# KiCad board pcb.kicad_pcb (continued)
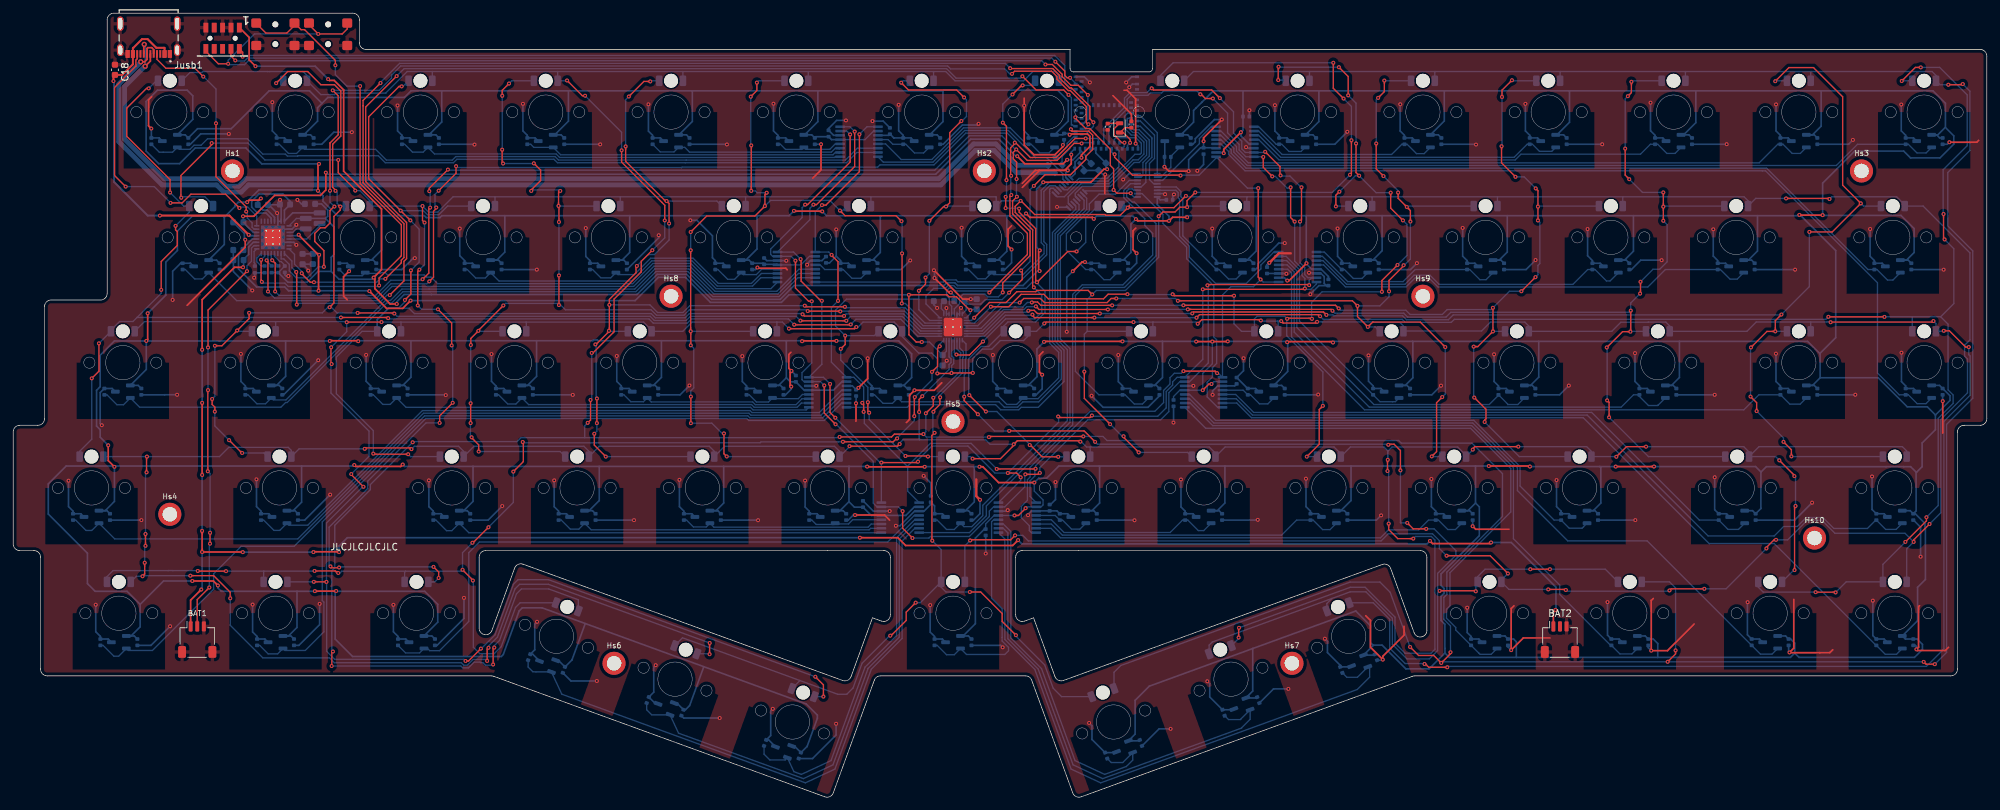
[diagram p0: board, top side]
## Routing (per net, layer and track width the routed paths; a pad name or vN(x,y) marks a point on that pad's centre or on a via; arc(x,y) is an arc through that point) (continued)
/ANA_64: length 55
  Bottom w0.2: MUXB4.5 136.69,42.02 133.95,39.28 133.95,24.46 129.16,19.67 124,5.49 119.51,3.4 118.38,3.81 TMR64.2 117.06,5.6 114.72,5.6 113.85,6.47 Cvout64.1
/ANA_65: length 34.6
  Bottom w0.2: MUXB8.12 148.66,42.02 148.35,41.71 148.35,30.13 149.95,28.53 149.95,24.19 149.94,24.18 149.94,23.64 150.92,22.66 150.92,22.15 150.36,21.59 144.55,21.59 TMR65.2 142.69,21.55 141.52,21.55 140.1,22.97 Cvout65.1
/ANA_66: length 55.6
  Bottom w0.2: Cvout66.1 166.49,5.2 168.24,5.2 TMR66.2 169.75,5.56 168.78,4.59 168.76,4.59 165.49,3.4 161,5.49 155.93,19.43 151.27,24.08 151.27,40.23 150.12,41.37 MUXB8.11
/ANA_67: length 75.2
  Bottom w0.2: Cvout67.1 184.27,11.72 186.11,11.72 186.11,11.77 TMR67.2 187.55,11.75 186.25,10.46 186.25,10.43 165.19,2.76 160.7,4.85 155.41,19.37 150.82,23.97 150.82,40.03 150.12,40.72 MUXB8.10
/ANA_68: length 94.6
  Bottom w0.2: MUXB8.9 150.36,39.1 150.36,23.86 154.9,19.32 160.4,4.21 164.89,2.12 203.8,16.28 205.67,18.15 205.67,19.44 TMR68.2 203.82,18.13 202.21,18.13 Cvout68.1
/ANA_69: length 90.6
  Bottom w0.2: TMR69.2 224.1,21.61 222.42,21.61 222.21,21.82 222.2,21.82 Cvout69.1 218.72,25.29 218.72,25.69 217.32,27.09 217.32,28.45 217.85,28.97 217.85,33.99 227.07,43.21 227.07,49.79 220.97,55.9 180.81,55.9 MUXB7.9
/ANA_70: length 91.9
  Bottom w0.2: TMR70.2 245.43,21.67 243.62,21.67 Cvout70.1 242.22,22.97 234.49,30.7 234.49,32.12 227.47,39.14 227.47,49.96 221.14,56.3 181.88,56.3 178.46,59.72 MUXB7.10
/ANA_71: length 108.3
  Bottom w0.2: MUXB7.11 178.37,60.37 182.05,56.7 221.3,56.7 228.08,49.92 228.08,46.45 235.71,38.82 247.75,38.82 Cvout71.1 264.93,21.64 266.68,21.64 TMR71.2
/ANA_72: length 119.2
  Bottom w0.2: TMR72.2 285.56,21.62 283.85,21.62 Cvout72.1 282.46,22.97 267.01,38.42 257.14,38.42 238.06,57.5 187.75,57.5 185.53,59.72 MUXB7.7
/CS0: length 166.3
  Top w0.2: v1(166.32,56.52) 162.41,60.43 v1(162.41,64.49) ; v1(168.36,54.69) 168.42,54.63 168.42,54.48 v1(170.66,52.24) ; v1(179.24,91.67) 177.99,90.41 177.99,89.44 v1(178,89.42) 176.9,89.42 176.17,88.7 174.33,88.7 v1(173.68,88.05) ; v1(163.62,76.18) 162.99,76.81 155.25,76.81 155.05,76.61 152.18,76.61 150.55,74.98 148.03,74.98 v1(145.71,72.66) ; v1(202.91,99.58) 202.91,94.56 v1(202.69,94.34) ; v1(200.16,111.33) 200.16,107.46 v1(201.72,105.9)
  Bottom w0.2: v1(170.66,52.24) 178.06,52.24 D53.1 ; v1(168.36,54.69) 168.15,54.69 v1(166.32,56.52) ; v1(162.41,64.49) 162.41,70.16 162.84,70.59 ; v1(200.16,111.33) 175.88,111.33 173.95,109.4 D9.1 ; v1(173.68,88.05) 173.68,81.83 168.65,76.8 164.23,76.8 162.84,75.41 162.84,70.59 ; v1(202.69,94.34) 200.02,91.67 v1(179.24,91.67) ; v1(178,89.42) 178.17,89.6 D24.1 ; D38.1 162.85,70.6 162.84,70.59 ; v1(145.71,72.66) 145.3,72.25 LEDDR1.2 ; v1(201.72,105.9) 202.91,104.71 v1(202.91,99.58)
/CS1: length 163.6
  Top w0.2: v1(185.11,76) 176.02,76 v1(175.8,76.22) ; v1(207.53,76.59) 207.53,78.3 v1(209.9,80.66) ; v1(204.08,94.2) 203.61,94.67 v1(203.61,99.09) ; v1(198.58,59.29) 198.03,58.74 198.03,53.48 v1(196.14,51.59) ; v1(191.86,110.73) 191.81,110.68 v1(191.81,108.7) ; v1(193.16,72.5) 193.26,72.59 196.83,72.59 v1(196.93,72.49) ; v1(202.42,106.39) 202.42,109.25 v1(201.01,110.66) ; v1(208.86,91.63) 208.86,89.29 v1(210.72,87.43) ; v1(201.09,91.78) 200.55,91.24 v1(200.55,89.55) ; v1(148.24,74.33) 150.94,74.33 152.82,76.21 156.28,76.21 156.96,75.53 165.32,75.53 166.02,76.23 v1(168.95,76.23)
  Bottom w0.2: v1(201.09,91.78) 203.51,94.2 v1(204.08,94.2) 206.65,91.63 v1(208.86,91.63) ; v1(200.55,89.55) 200.6,89.6 D25.1 ; D54.1 196.15,51.6 v1(196.14,51.59) ; v1(210.72,87.43) 211.33,86.82 211.33,82.1 v1(209.9,80.66) ; v1(168.95,76.23) 169.01,76.17 175.75,76.17 v1(175.8,76.22) ; LEDDR1.3 145.76,71.85 v1(148.24,74.33) ; v1(198.58,59.29) 198.58,64.44 193.1,69.92 193.1,72.44 v1(193.16,72.5) 192.78,72.89 188.61,72.89 188.2,72.48 D39.1 186.25,70.6 185.11,71.74 v1(185.11,76) ; v1(201.01,110.66) 191.93,110.66 v1(191.86,110.73) ; v1(202.42,106.39) 203.61,105.2 v1(203.61,99.09) ; v1(196.93,72.49) 196.87,72.55 196.87,75 198.46,76.59 v1(207.53,76.59) ; v1(191.81,108.7) 192.85,108.7 D10.1
/CS2: length 157.1
  Top w0.2: v1(215.09,51.63) 215.82,52.36 215.82,59.77 v1(216.68,60.63) ; v1(210.82,80.62) 210.82,80.53 208.61,78.32 v1(208.61,76.67) ; v1(176.59,75.23) 203.06,75.23 v1(203.83,74.46) 203.83,72.84 v1(205.4,71.27) 206.13,72 213.35,72 v1(217.14,68.21) ; v1(209.99,91.64) 209.99,90.78 v1(211.31,89.46) 211.85,88.92 v1(211.85,87.25) ; v1(152.6,74.95) 153.23,75.58 155.75,75.58 156.37,74.96 165.86,74.96 166.48,75.58 v1(167.26,75.58) ; v1(206.95,106) 207.9,106.95 v1(207.9,108.64) ; v1(206.67,99.09) 206.67,95.24 v1(207.77,94.14)
  Bottom w0.2: v1(211.31,89.46) 211.45,89.6 D26.1 ; v1(207.9,108.64) 207.94,108.6 D11.1 ; D40.1 206.53,71.27 v1(205.4,71.27) ; v1(215.09,51.63) 215.12,51.6 D55.1 ; v1(206.95,106) 206.67,105.72 v1(206.67,99.09) ; v1(167.26,75.58) 176.24,75.58 v1(176.59,75.23) ; v1(217.14,68.21) 217.14,61.09 v1(216.68,60.63) ; v1(208.61,76.67) 208.61,75.85 207.22,74.46 v1(203.83,74.46) ; LEDDR1.4 146.25,71.45 149.75,74.95 v1(152.6,74.95) ; v1(209.99,91.64) 209.99,91.92 v1(207.77,94.14) ; v1(211.85,87.25) 211.85,81.56 210.91,80.62 v1(210.82,80.62)
/CS3: length 174.5
  Top w0.2: v1(166.63,74.54) 155.83,74.54 155.33,75.04 154.51,75.04 v1(154.45,74.97) ; v1(223.11,56.85) 223.11,57.13 223.31,57.33 223.31,58.78 v1(221.53,60.56) ; v1(231.19,87.42) v1(231.19,89.51) 231.19,91.94 v1(230.85,92.28) ; v1(200.98,74.07) 200.5,74.55 v1(177.43,74.55) ; v1(227.79,94.03) 225.67,96.15 v1(225.67,98.67) ; v1(230.82,78.82) v1(228.68,76.67) ; v1(227.25,108.68) 225.74,107.17 v1(225.74,106.14) ; v1(221.44,68.28) 222.06,68.28 v1(224.37,70.59) 224.37,74.16 v1(224.36,74.17)
  Bottom w0.2: v1(221.53,60.56) 221.44,60.65 v1(221.44,68.28) ; LEDDR1.5 146.75,71.05 150,74.3 153.09,74.3 153.76,74.97 v1(154.45,74.97) ; D41.1 224.38,70.6 v1(224.37,70.59) ; v1(225.67,98.67) 225.74,98.74 v1(225.74,106.14) ; D12.1 227.33,108.6 v1(227.25,108.68) ; D27.1 231.28,89.6 v1(231.19,89.51) ; v1(230.82,78.82) 231.19,79.19 231.19,80.59 231.48,80.88 231.48,87.13 v1(231.19,87.42) ; D56.1 228.36,51.6 v1(223.11,56.85) ; v1(228.68,76.67) 226.87,76.67 v1(224.36,74.17) 224.08,73.89 217.42,73.89 216.69,73.16 211.8,73.16 211.16,73.8 201.25,73.8 v1(200.98,74.07) ; v1(227.79,94.03) 229.1,94.03 v1(230.85,92.28) ; v1(177.43,74.55) 177.42,74.54 v1(166.63,74.54)
/CS4: length 200.8
  Top w0.2: v1(246.68,76.32) 246.74,76.38 v1(246.74,78.12) ; v1(165.98,73.91) 155.54,73.91 v1(155.06,74.39) ; v1(250.2,87.36) v1(250.2,89.51) v1(250.2,91.67) ; v1(245.36,108.45) 245.36,106.8 v1(244.82,106.26) ; v1(241.98,57.56) 241.98,59.83 v1(241.68,60.13) ; v1(200.04,73.72) 199.83,73.93 v1(178.1,73.93) ; v1(244.42,98.32) 244.42,94.29 v1(245.04,93.67) ; v1(245.26,73.74) 245.26,70.6 v1(245.21,70.55) 244.02,70.55 v1(241.62,68.15)
  Bottom w0.2: v1(200.04,73.72) 200.41,73.35 210.84,73.35 211.43,72.76 217.25,72.76 217.98,73.49 245.01,73.49 v1(245.26,73.74) 245.26,74.9 v1(246.68,76.32) ; v1(250.2,89.51) 250.29,89.6 D28.1 ; D57.1 247.94,51.6 v1(241.98,57.56) ; v1(244.82,106.26) 244.42,105.86 v1(244.42,98.32) ; v1(245.04,93.67) 247.04,91.67 v1(250.2,91.67) ; v1(155.06,74.39) 155.01,74.33 153.69,74.33 153.25,73.9 150.16,73.9 146.91,70.65 LEDDR1.6 ; D13.1 245.51,108.6 v1(245.36,108.45) ; D42.1 245.26,70.6 v1(245.21,70.55) ; v1(165.98,73.91) 166,73.93 v1(178.1,73.93) ; v1(241.68,60.13) 241.68,68.09 v1(241.62,68.15) ; v1(250.2,87.36) 250.77,86.79 250.77,81.13 249.65,80.01 248.63,80.01 v1(246.74,78.12)
/CS5: length 227.8
  Top w0.2: v1(164.76,73.3) 155.3,73.3 154.81,73.79 153.99,73.79 v1(153.92,73.72) ; v1(268.42,53.84) 269.62,52.64 v1(269.62,51.63) ; v1(178.78,73.32) 178.99,73.53 198.67,73.53 v1(199.11,73.09) ; v1(267.17,108.53) 269.24,110.6 272.97,110.6 277.39,106.18 277.39,92.77 v1(280.15,90.01) 275.82,85.68 v1(272.34,85.68) ; v1(263.49,68.16) 265.92,70.59 v1(267.18,70.59) 267.18,72.22 v1(268.11,73.15) ; v1(264.35,58.5) 264.35,59.78 v1(263.42,60.71)
  Bottom w0.2: v1(164.76,73.3) 178.76,73.3 v1(178.78,73.32) ; v1(268.42,53.84) 268.42,54.43 v1(264.35,58.5) ; D29.1 280.56,89.6 v1(280.15,90.01) ; v1(153.92,73.72) 153.7,73.5 150.33,73.5 147.08,70.25 LEDDR1.7 ; v1(267.18,70.59) 267.19,70.6 D43.1 ; v1(272.34,85.68) 272.34,77.38 v1(268.11,73.15) 268.05,73.09 218.34,73.09 217.61,72.36 211.26,72.36 210.67,72.95 200.24,72.95 200.1,73.09 v1(199.11,73.09) ; v1(269.62,51.63) 269.65,51.6 D58.1 ; v1(263.42,60.71) 263.42,68.09 v1(263.49,68.16) ; D14.1 267.24,108.6 v1(267.17,108.53)
/CS6: length 269.5
  Top w0.2: v1(292.69,88.39) 292.69,84.69 v1(292.85,84.53) ; v1(289.24,110.63) 288.42,110.63 v1(286.35,108.56) ; v1(275.22,72.8) 275.23,72.79 v1(283.73,72.79) ; v1(163.94,72.68) 154.86,72.68 154.54,72.99 v1(154.54,73.14) ; v1(179.42,72.67) 179.88,73.13 197.92,73.13 v1(198.16,72.89) ; v1(286.9,38.66) 290.1,41.86 v1(290.1,42.4) ; v1(276.32,31) 276.28,31.04 v1(273.29,31.04)
  Bottom w0.2: D44.1 287.95,72.8 287.94,72.81 ; v1(289.24,110.63) 292.1,110.63 296.28,106.45 296.28,98.75 292.63,95.11 292.63,88.45 v1(292.69,88.39) ; v1(292.85,84.53) 294.25,83.13 294.25,74.81 292.25,72.81 ; v1(163.94,72.68) 163.95,72.67 v1(179.42,72.67) ; v1(283.73,72.79) 283.75,72.81 287.94,72.81 ; v1(198.16,72.89) 198.63,72.42 210.61,72.42 211.07,71.96 218.05,71.96 218.51,72.42 274.84,72.42 v1(275.22,72.8) ; v1(286.35,108.56) 286.39,108.6 D15.1 ; v1(273.29,31.04) 273.28,31.05 265.35,31.05 264.6,31.8 D71.1 ; v1(286.9,38.66) 283.5,35.26 D72.1 277.92,32.6 v1(276.32,31) ; 287.94,72.81 292.25,72.81 ; 292.25,72.81 293.37,71.68 293.37,61.72 294.14,60.95 294.14,59.65 291.88,57.39 291.88,44.18 v1(290.1,42.4) ; LEDDR1.8 147.26,69.85 150.45,73.04 154.44,73.04 v1(154.54,73.14)
/CS7: length 193.8
  Top w0.2: v1(208.5,53.39) 208.59,53.48 209.38,53.48 210.34,52.52 v1(210.34,49.51) ; v1(144.2,60.69) 144.2,60.09 v1(146.27,58.02) ; v1(151.01,55.5) 162.38,55.5 v1(164.05,53.83) ; v1(214.25,40.64) 212.28,40.64 v1(211.37,41.55) ; v1(216.28,31.24) 216.3,31.25 221.68,31.25 v1(221.77,31.17) ; v1(230.03,34.52) 233,34.52 v1(233.01,34.52)
  Bottom w0.2: v1(214.25,40.64) 215.45,40.64 218.75,37.34 218.75,36.65 215.98,33.88 215.98,31.54 v1(216.28,31.24) 215.97,30.93 215.97,22.17 214.72,20.92 211.32,20.92 209.12,23.12 209.12,27.08 205.11,31.09 202.72,31.09 199.95,30.08 ; v1(208.5,53.39) 208.41,53.48 164.4,53.48 v1(164.05,53.83) ; 199.95,30.08 199.18,29.31 D68.1 ; 199.95,30.08 181.81,23.48 181.33,23 D67.1 ; v1(230.03,34.52) 223.17,34.52 222.05,33.4 D69.1 221.77,32.32 v1(221.77,31.17) ; D70.1 241.4,34.52 v1(233.01,34.52) ; v1(144.2,60.69) 144.2,63.99 144.38,64.17 144.38,66.38 144.47,66.48 144.47,68.69 LEDDR1.9 ; v1(210.34,49.51) 210.34,41.58 210.37,41.55 v1(211.37,41.55) ; 243.43,32.6 243.43,32.63 ; v1(151.01,55.5) 150.99,55.48 148.81,55.48 v1(146.27,58.02)
/CS8: length 125
  Top w0.2: v1(139.52,58.39) 139.52,58.52 140.51,59.51 140.51,60.56 v1(140.55,60.6) ; v1(139.71,55.21) 139.3,54.8 139.3,38.9 v1(139.36,38.84) ; v1(136.84,29.45) 135.4,28.01 135.4,26.75 133.09,24.44 v1(132.98,24.44) ; v1(145.05,31.07) 146.69,31.07 149.96,27.8 149.96,26.6 v1(152.04,24.52)
  Bottom w0.2: v1(145.05,31.07) 141.43,31.07 140.7,31.8 D65.1 ; LEDDR1.10 143.5,68.08 144.07,67.51 144.07,66.64 143.96,66.53 143.96,64.32 140.55,60.91 v1(140.55,60.6) ; D66.1 158.96,15.19 157.69,16.47 156.4,20.01 152.04,24.37 v1(152.04,24.52) ; D64.1 118.08,16.43 119.29,17.63 ; 119.29,17.63 125,15.56 126.4,15.56 127.35,16.51 128.71,20.26 132.89,24.44 v1(132.98,24.44) ; 119.29,17.63 101.48,24.12 100.29,22.92 D63.1 ; v1(139.71,55.21) 139.45,55.46 139.45,58.32 v1(139.52,58.39) ; v1(139.36,38.84) 140.7,37.5 D65.1 ; v1(136.84,29.45) 137.55,29.45 D65.1
/CS9: length 187.3
  Top w0.2: v1(72.07,40.89) 69.71,38.53 v1(69.63,38.53) ; v1(32.27,34.23) 28.02,34.23 v1(27.99,34.25) ; v1(125.81,53.85) 133.44,53.85 133.95,54.36 v1(134.03,54.36) ; v1(140.48,68.34) 140.16,68.01 140.16,65.3 v1(139.31,64.45) ; v1(77.26,53.82) 77.35,53.73 77.35,50.84 v1(75.83,49.32) ; v1(68.13,34.44) 69.7,32.87 v1(69.7,32.8) ; v1(45.69,34.26) 48.82,34.26 48.94,34.14 49.08,34.14 v1(49.28,33.95) ; v1(136.7,60.63) 136.63,60.56 v1(136.63,57.74)
  Bottom w0.2: 38,34.23 v1(32.27,34.23) ; 38,34.23 37.98,34.2 D60.1 ; 38,34.23 45.66,34.23 v1(45.69,34.26) ; v1(136.7,60.63) 139.31,63.24 v1(139.31,64.45) ; LEDDR1.16 140.48,68.64 v1(140.48,68.34) ; v1(134.03,54.36) 134.03,54.44 136.63,57.04 v1(136.63,57.74) ; v1(27.99,34.25) 27.94,34.31 24.22,34.31 24.21,34.32 23.5,34.32 23.49,34.31 15.13,34.31 14.22,33.4 D59.1 ; v1(72.07,40.89) 75.83,44.65 v1(75.83,49.32) ; D61.1 59.35,34.08 59.49,34.22 ; D62.1 76.87,29.42 76.17,28.73 74,22.78 72.93,21.71 70.75,21.71 69.77,22.69 69.77,32.73 v1(69.7,32.8) ; v1(77.26,53.82) 77.39,53.69 88.39,53.69 88.4,53.7 113.26,53.7 113.39,53.83 125.13,53.83 125.15,53.85 v1(125.81,53.85) ; 59.49,34.22 49.82,34.22 49.55,33.95 v1(49.28,33.95) ; 59.49,34.22 67.91,34.22 v1(68.13,34.44) 68.13,37.03 v1(69.63,38.53)
/CS10: length 196.2
  Top w0.2: v1(126.99,71.64) 126.94,71.59 118.44,71.59 v1(118.42,71.61) ; v1(20.55,107.45) 20.22,107.45 17.22,104.45 17.22,100.16 23.79,93.6 v1(23.79,91.65) ; v1(11.91,63.47) 13,64.56 v1(13,68.78) ; v1(49.69,72.7) 56.75,72.7 v1(56.85,72.6) ; v1(24.62,86.6) 24.62,85.98 24.88,85.73 24.88,83.61 22.45,81.18 v1(22.45,76.89)
  Bottom w0.2: v1(56.85,72.6) 56.97,72.48 96.41,72.48 97.04,71.85 102.21,71.85 102.84,72.48 117.55,72.48 v1(118.42,71.61) ; 18.77,72.7 18.16,72.09 16.13,72.09 14.82,70.78 D30.1 13.01,68.78 v1(13,68.78) ; 18.77,72.7 v1(49.69,72.7) ; 18.77,72.7 22.45,76.37 v1(22.45,76.89) ; v1(23.79,91.65) 25.84,89.6 D16.1 26.7,88.68 v1(24.62,86.6) ; LEDDR1.17 137.16,69.85 134.57,72.44 127.79,72.44 v1(126.99,71.64) ; D1.1 21.7,108.6 v1(20.55,107.45) ; D45.1 10.07,52.4 11.91,54.23 v1(11.91,63.47)
/CS11: length 189
  Top w0.2: v1(39.87,108.23) 41.63,110 44.65,110 46.65,108 48.72,108 49.68,107.04 49.68,100.21 48.44,98.97 48.44,92.43 48.87,92 v1(48.87,91.91) ; v1(34.71,52.15) 34.68,52.15 v1(32.73,54.1) ; v1(57.79,73.3) 57.7,73.39 v1(52.23,73.39) ; v1(47.98,74.25) 48.63,74.89 48.63,88.02 49.61,89 v1(49.61,89.52) 49.6,89.51 49.48,89.51 49.3,89.7 ; v1(30.58,68.41) 31.65,68.41 v1(33.96,70.72) 35.77,72.53 v1(35.77,73.4) ; v1(119.36,72.22) 119.38,72.2 v1(126.32,72.2) ; v1(30.57,58.42) 30.57,59.1 30.16,59.5 v1(30.16,60.34)
  Bottom w0.2: D17.1 49.68,89.6 v1(49.61,89.52) 49.12,90.01 49.12,91.66 v1(48.87,91.91) ; v1(32.73,54.1) 30.57,56.26 v1(30.57,58.42) ; v1(52.23,73.39) 49.1,73.39 48.24,74.25 v1(47.98,74.25) 47.72,74.25 46.87,73.4 v1(35.77,73.4) ; v1(126.32,72.2) 126.96,72.84 134.84,72.84 137.43,70.25 LEDDR1.18 ; D31.1 34.08,70.6 v1(33.96,70.72) ; v1(57.79,73.3) 58.21,72.88 96.58,72.88 97.21,72.25 102.05,72.25 102.68,72.88 118.7,72.88 v1(119.36,72.22) ; v1(34.71,52.15) 38.02,52.15 D46.1 ; v1(30.58,68.41) 30.58,60.75 v1(30.16,60.34) ; v1(39.87,108.23) 40.23,108.6 D2.1
/CS12: length 184.2
  Top w0.2: v1(125.98,72.93) 125.96,72.91 119.95,72.91 v1(119.68,73.17) ; v1(58.9,107.75) 58.52,107.75 53.9,103.13 53.9,93.75 v1(58.75,88.9) v1(60.23,87.42) ; v1(54.6,52.05) 54.69,51.96 v1(59.89,51.96) ; v1(60.3,79.85) 60.3,76.25 v1(59.4,75.35)
  Bottom w0.2: LEDDR1.19 137.6,70.65 135.01,73.24 126.29,73.24 v1(125.98,72.93) ; v1(60.3,79.85) 61.55,81.1 61.55,86.1 v1(60.23,87.42) ; D3.1 59.1,107.75 v1(58.9,107.75) ; 56.92,74.1 58.43,74.1 59.4,75.07 v1(59.4,75.35) 59.4,75.34 ; 56.92,74.1 60.02,74.1 60.83,73.29 96.73,73.29 97.37,72.65 101.88,72.65 102.52,73.29 119.57,73.29 v1(119.68,73.17) ; 56.92,74.1 55.2,72.38 ; 56.92,74.1 55.2,72.38 ; v1(54.6,52.05) 54.6,55.53 49,61.13 49,66.7 52.89,70.6 D32.1 ; D32.1 55.2,72.38 ; D32.1 55.2,72.38 ; D47.1 60.25,51.6 v1(59.89,51.96) ; D18.1 65.85,89.6 64.53,88.28 62.82,88.28 62.2,88.9 v1(58.75,88.9)
/CS13: length 164.7
  Top w0.2: v1(69.36,59.69) v1(69.36,56.69) ; v1(120.47,73.67) 120.48,73.66 125.37,73.66 v1(125.41,73.62) ; v1(82.75,79.08) v1(82.75,74.58) ; v1(74.15,106.32) 74.15,107.15 v1(75.18,108.18) ; v1(78.55,91.89) 78.55,92.05 79.97,93.47 79.97,95.05 v1(78.94,96.08) ; v1(70.58,52.37) 70.58,53.39 69.5,54.46 v1(69.5,54.53) ; v1(69.39,68.52) 69.39,69.53 v1(70.53,70.67) 70.53,70.72 v1(74.32,74.51) ; v1(82.95,91.89) 82.79,91.89 82.69,91.79 v1(82.69,89.62) 82.75,89.56 v1(82.75,87.18) ; v1(74.14,98.14) 74.14,96.19 v1(74.28,96.04)
  Bottom w0.2: v1(69.5,54.53) 69.33,54.7 69.33,56.66 v1(69.36,56.69) ; LEDDR1.20 137.78,71.05 135.17,73.66 125.45,73.66 v1(125.41,73.62) ; v1(70.53,70.67) 70.6,70.6 D33.1 ; v1(82.75,79.08) v1(82.75,87.18) ; v1(75.18,108.18) 75.6,108.6 D4.1 ; v1(82.95,91.89) 82.79,92.05 78.71,92.05 v1(78.55,91.89) ; v1(74.14,98.14) 74.15,98.16 v1(74.15,106.32) ; D19.1 82.71,89.6 v1(82.69,89.62) ; v1(74.32,74.51) 74.64,74.83 82.5,74.83 v1(82.75,74.58) 83.02,74.58 83.73,73.86 96.72,73.86 97.54,73.05 101.72,73.05 102.53,73.86 120.27,73.86 v1(120.47,73.67) ; D48.1 82.93,52.37 v1(70.58,52.37) ; v1(78.94,96.08) 78.91,96.04 v1(74.28,96.04) ; v1(69.39,68.52) 69.36,68.49 v1(69.36,59.69)
/CS14: length 146
  Top w0.2: v1(120.02,74.49) 120.19,74.32 v1(126.11,74.32) ; v1(88.11,55.07) 88.11,53.34 v1(89.85,51.6) ; v1(88.5,56.68) 88.5,60.4 v1(88.51,60.41) ; v1(96.6,108.5) 95.63,108.5 v1(93.34,106.21) ; v1(92.86,98.65) 92.86,96.39 98.89,90.36 v1(99.08,90.36) 99.45,89.98 v1(99.45,86.95) ; 88.47,68.71 90.33,70.57 v1(90.33,70.67) 90.39,70.72 90.39,75.44 94.44,79.49 94.44,80.39 v1(94.56,80.51)
  Bottom w0.2: v1(88.27,68.61) 88.39,68.49 88.39,60.53 v1(88.51,60.41) ; v1(126.11,74.32) 126.25,74.18 135.24,74.18 137.97,71.45 LEDDR1.21 ; D20.1 106.69,90.36 v1(99.08,90.36) ; v1(93.34,106.21) 92.86,105.73 v1(92.86,98.65) ; D34.1 90.4,70.6 v1(90.33,70.67) ; D5.1 96.7,108.6 v1(96.6,108.5) ; v1(99.45,86.95) 99.45,84.45 97.25,82.25 96.3,82.25 v1(94.56,80.51) ; v1(120.02,74.49) 102.59,74.49 101.55,73.45 97.7,73.45 96.54,74.61 v1(90.39,74.61) ; v1(88.5,56.68) 88.5,55.46 v1(88.11,55.07) ; D49.1 v1(89.85,51.6)
/CS15: length 143.7
  Top w0.2: v1(102.75,60.7) 102.75,56.68 v1(102.76,56.67) ; v1(114.25,91.62) 113.98,91.35 v1(113.98,89.6) 112.47,88.09 105.15,88.09 v1(102.72,85.66) ; v1(111.91,98.8) 111.91,92.54 111.9,92.53 v1(111.9,91.89) ; v1(102.72,82.9) v1(102.72,70.61) 102.74,70.6 v1(102.74,68.48) ; v1(112.76,108.32) 112.76,107.12 v1(111.83,106.19) ; v1(134.69,87.3) 133.86,88.13 126.14,88.13 v1(125.36,88.91) ; v1(108.19,51.62) 107.77,52.04 v1(107.77,55.12) ; v1(134.78,82.42) 134.78,74.87 v1(134.73,74.83)
  Bottom w0.2: D35.1 102.74,70.6 v1(102.72,70.61) ; v1(102.75,60.7) 102.74,60.71 102.74,61.57 103.19,62.02 103.19,68.03 v1(102.74,68.48) ; LEDDR1.22 138.25,71.85 135.27,74.83 v1(134.73,74.83) ; v1(107.77,55.12) 107.65,55 107.6,55 105.93,56.67 v1(102.76,56.67) ; D50.1 108.21,51.6 v1(108.19,51.62) ; v1(134.78,82.42) 134.78,87.21 v1(134.69,87.3) ; v1(102.72,85.66) v1(102.72,82.9) ; v1(113.98,89.6) 114.84,90.46 123.81,90.46 v1(125.36,88.91) 125.76,88.91 D21.1 ; v1(114.25,91.62) 112.81,91.62 112.54,91.89 v1(111.9,91.89) ; D6.1 113.04,108.6 v1(112.76,108.32) ; v1(111.83,106.19) 111.83,98.88 v1(111.91,98.8)
/CS16: length 106.6
  Top w0.2: v1(137.32,76.75) 138.33,77.76 v1(138.33,78.76) ; v1(144.18,106.07) 143.05,107.19 135.75,107.19 v1(134.64,108.31) ; v1(143.76,102.49) 142,100.72 142,90.09 v1(141.44,89.53) 141.08,89.53 v1(138.91,87.36) ; v1(126.15,69.95) 126.15,68.61 v1(125.48,67.94) ; v1(129.59,59.85) 129.59,58.45 v1(129.79,58.25) ; v1(138.7,51.6) 138.6,51.7 v1(135.29,51.7)
  Bottom w0.2: 137.32,75.47 v1(137.32,76.75) ; 137.32,75.47 137.31,75.48 126.35,75.48 124.69,73.82 124.69,71.41 v1(126.15,69.95) 130.55,69.95 D36.1 ; 137.32,75.47 137.32,73.88 138.95,72.25 LEDDR1.23 ; v1(141.44,89.53) 141.51,89.6 D22.1 ; v1(129.59,59.85) 129.59,62.11 125.48,66.22 v1(125.48,67.94) ; v1(138.33,78.76) 138.91,79.34 v1(138.91,87.36) ; v1(129.79,58.25) 129.79,57.2 v1(135.29,51.7) ; D7.1 134.93,108.6 v1(134.64,108.31) ; v1(144.18,106.07) 144.54,105.71 144.54,103.18 143.85,102.49 v1(143.76,102.49) ; D51.1 v1(138.7,51.6)
/CS17: length 119.7
  Top w0.2: v1(147.49,58.44) 147.45,58.44 v1(144.97,60.92) ; v1(152.53,89.21) 152.53,88.66 155.03,86.16 155.03,78.24 v1(155.23,78.04) ; v1(155.23,78.04) 155.1,78.04 155.03,77.97 ; v1(155.23,78.04) 159.9,82.71 v1(161.24,82.71) ; v1(153.06,107.9) 152.9,107.9 v1(151.52,106.52) ; v1(150.48,89.29) 150.48,89.29 v1(150.48,90.99) ; v1(158.45,51.57) 156.01,51.57 154.22,53.36 v1(154.13,53.36) ; v1(150.05,102.25) 150.61,101.69 v1(150.61,93.53)
  Bottom w0.2: v1(151.52,106.52) 150.05,105.05 v1(150.05,102.25) ; v1(152.53,89.21) 152.46,89.28 150.49,89.28 v1(150.48,89.29) ; LEDDR1.24 138.4,74.76 138.4,75.95 139.57,77.12 141.32,77.12 141.74,77.54 142.6,77.54 143.02,77.12 153.58,77.12 154.5,78.04 v1(155.23,78.04) 155.23,77.9 156.45,76.68 156.45,73.44 155.03,72.02 150.82,72.02 150.2,71.4 D37.1 147.9,68.3 146.76,68.3 144.87,66.41 144.87,61.02 v1(144.97,60.92) ; D23.1 162.63,87.77 162.63,84.09 v1(161.24,82.71) ; v1(150.61,93.53) 150.61,91.11 v1(150.48,90.99) ; v1(153.06,107.9) 154.25,107.9 D8.1 ; v1(154.13,53.36) 154.13,53.45 149.14,58.44 v1(147.49,58.44) ; v1(158.45,51.57) 159.67,51.57 D52.1
/GPIO_X: length 163.4
  Top w0.2: v1(48.71,89.52) 48.63,89.52 48.03,88.92 48.03,87.03 47.3,86.3 46.57,86.3 45.72,85.45 45.72,84.22 47.11,82.84 v1(47.11,80.37) ; v1(48.04,91.92) 48.04,99.14 48.03,99.15 49.28,100.39 49.28,106.32 v1(48.45,107.15) ; v1(163.04,102) 162.95,102 162.71,102.24 162.71,104.69 160.29,107.11 159.99,107.11 158.25,108.85 158.25,109.25 157.45,110.05 151.85,110.05 v1(151.45,109.65)
  Bottom w0.2: v1(48.71,89.52) 48.04,90.19 v1(48.04,91.92) ; v1(151.45,109.65) 151.1,109.65 150.35,110.4 142.13,110.4 141.69,110.84 58.75,110.84 57.36,109.44 57.36,109 55.5,107.15 v1(48.45,107.15) ; v1(47.11,80.37) 46.25,80.37 44.59,78.71 42.91,78.71 41.86,79.76 41.86,80.75 41.04,81.58 40.62,81.58 PMIC1.10 ; v1(163.04,102) 163.04,101.83 162.5,101.3 MDBT1.38
/INT: length 170
  Top w0.2: 43.7,79.37 43.71,79.37 ; 43.7,79.37 43.71,79.36 ; 43.7,79.37 45.03,78.05 v1(45.6,78.05) ; 43.7,79.37 43.71,79.37 ; 43.71,79.37 v1(43.75,79.41) 43.71,79.37 ; v1(163.79,102.3) 163.25,102.84 163.25,104.72 160.46,107.51 160.15,107.51 158.65,109.01 158.65,109.41 157.62,110.45 151.22,110.45 v1(151.17,110.5) ; v1(55.69,108.25) 53.05,105.61 53.05,104.78 53.05,104.78 53.05,93.13 59.25,86.93 59.25,81.78 58.85,81.38 58.85,80.98 v1(56.43,78.56)
  Bottom w0.2: v1(43.75,79.41) 43.75,79.68 42.66,80.77 42.66,82.26 PMIC1.8 ; v1(151.17,110.5) 150.43,111.24 58.59,111.24 55.69,108.34 v1(55.69,108.25) ; v1(56.43,78.56) 55.62,78.56 55.11,78.05 v1(45.6,78.05) ; MDBT1.36 162.61,100.5 163.79,101.68 v1(163.79,102.3)
/LED_DR_EN: length 46.2
  Top w0.2: v1(152.83,79.83) 153,79.66 153,78.45 v1(151,76.46) ; v1(160.37,101.24) 160.37,101.12 160.55,100.95 163.07,100.95 163.68,100.34 163.68,98.17 162.62,97.12 162.62,96.66 160.31,94.35 156.45,94.35 v1(154.75,92.65)
  Bottom w0.2: LEDDR1.32 144.49,73.83 144.49,74.97 C33.1 144.74,74.72 146.71,74.72 147.39,75.41 149.95,75.41 v1(151,76.46) ; v1(152.83,79.83) 154.19,81.18 154.19,92.08 v1(154.75,92.65) ; v1(160.37,101.24) 160.37,101.12 160.6,100.9 MDBT1.37
/LOADSW_CTRL: length 171.7
  Top w0.2: v1(58.14,109.3) 53.45,104.61 53.45,93.3 59.65,87.1 59.65,81.61 59.25,81.21 59.25,78.24 v1(57.1,76.09) ; v1(42.92,79.6) 42.99,79.52 v1(42.99,74.65) ; v1(160.02,106.46) 159.29,107.19 155.1,107.19 v1(153.02,109.28)
  Bottom w0.2: PMIC1.9 42.26,81.26 42.26,80.26 v1(42.92,79.6) ; MDBT1.39 160.83,101.7 160.64,101.89 160.45,101.89 160.45,106.03 v1(160.02,106.46) ; v1(42.99,74.65) 43.19,74.85 55.45,74.85 56.7,76.09 v1(57.1,76.09) ; v1(153.02,109.28) 152.74,109 142.97,109 141.53,110.44 59.27,110.44 v1(58.14,109.3)
/MUX_B_1: length 34.6
  Bottom w0.2: MUXB1.8 131.93,96.26 139.46,96.26 144.26,101.06 150.9,101.06 155.01,96.94 156.71,96.94 159.16,94.49 159.16,93.66 MUXA1.14 159.65,93.17
/MUX_B_2: length 49.7
  Bottom w0.2: MUXB2.8 141.07,78.07 141.38,78.39 142.96,78.39 143.24,78.11 152.61,78.11 156.58,82.07 156.58,82.07 156.71,82.2 156.71,83.78 156.28,84.21 156.28,91.81 157.16,92.69 158.01,92.69 158.59,92.11 MUXA1.11
/MUX_B_3: length 64.9
  Bottom w0.2: MUXA1.5 161.61,89.8 161.61,89.04 157.98,85.41 157.98,69.1 159.33,67.75 159.33,62.97 155.43,59.07 152.84,59.07 152.46,58.7 149.74,58.7 148.96,59.48 135.96,59.48 135.55,59.07 MUXB3.8
/MUX_B_4: length 67.8
  Bottom w0.2: MUXB4.8 145,40.07 147.55,42.62 147.55,44.1 160.24,56.79 160.24,67.98 158.78,69.44 158.78,85.08 162.77,89.07 162.77,90.78 162.15,91.4 MUXA1.2
/MUX_B_5: length 12.7
  Bottom w0.2: MUXA2.11 174.28,93.49 179.86,99.07 179.86,99.83 181.65,101.62 MUXB5.8
/MUX_B_6: length 31.3
  Bottom w0.2: MUXA2.14 176.29,91.99 176.65,91.62 176.65,90.85 176.85,90.65 176.85,85 178.32,83.52 178.32,81.85 182.3,77.87 186.97,77.87 189.19,80.08 189.19,80.66 191.15,82.62 MUXB6.8
/MUX_B_7: length 39.8
  Bottom w0.2: MUXB7.8 182.63,59.07 181.04,60.66 181.04,62.87 181.84,63.67 181.84,65.1 182.47,65.73 182.47,69.31 182.05,69.73 182.05,77.49 177.92,81.61 177.92,83.36 174.33,86.95 174.33,88.31 171.16,91.49 MUXA2.2
/MUX_B_8: length 69.4
  Bottom w0.2: MUXA2.5 169.4,92.99 168.4,91.98 168.4,90.86 171.58,87.68 171.58,86.64 172.78,85.45 172.78,82.16 168.26,77.65 162.09,77.65 160.64,76.19 160.64,56.41 154.18,49.95 154.18,48.49 153.78,48.09 153.78,44.96 152.86,44.04 152.86,42.33 154.07,41.11 154.07,40.37 154.38,40.07 MUXB8.8
